# Altium PCB PCB.PcbDoc (part 2 of 4) (continued)
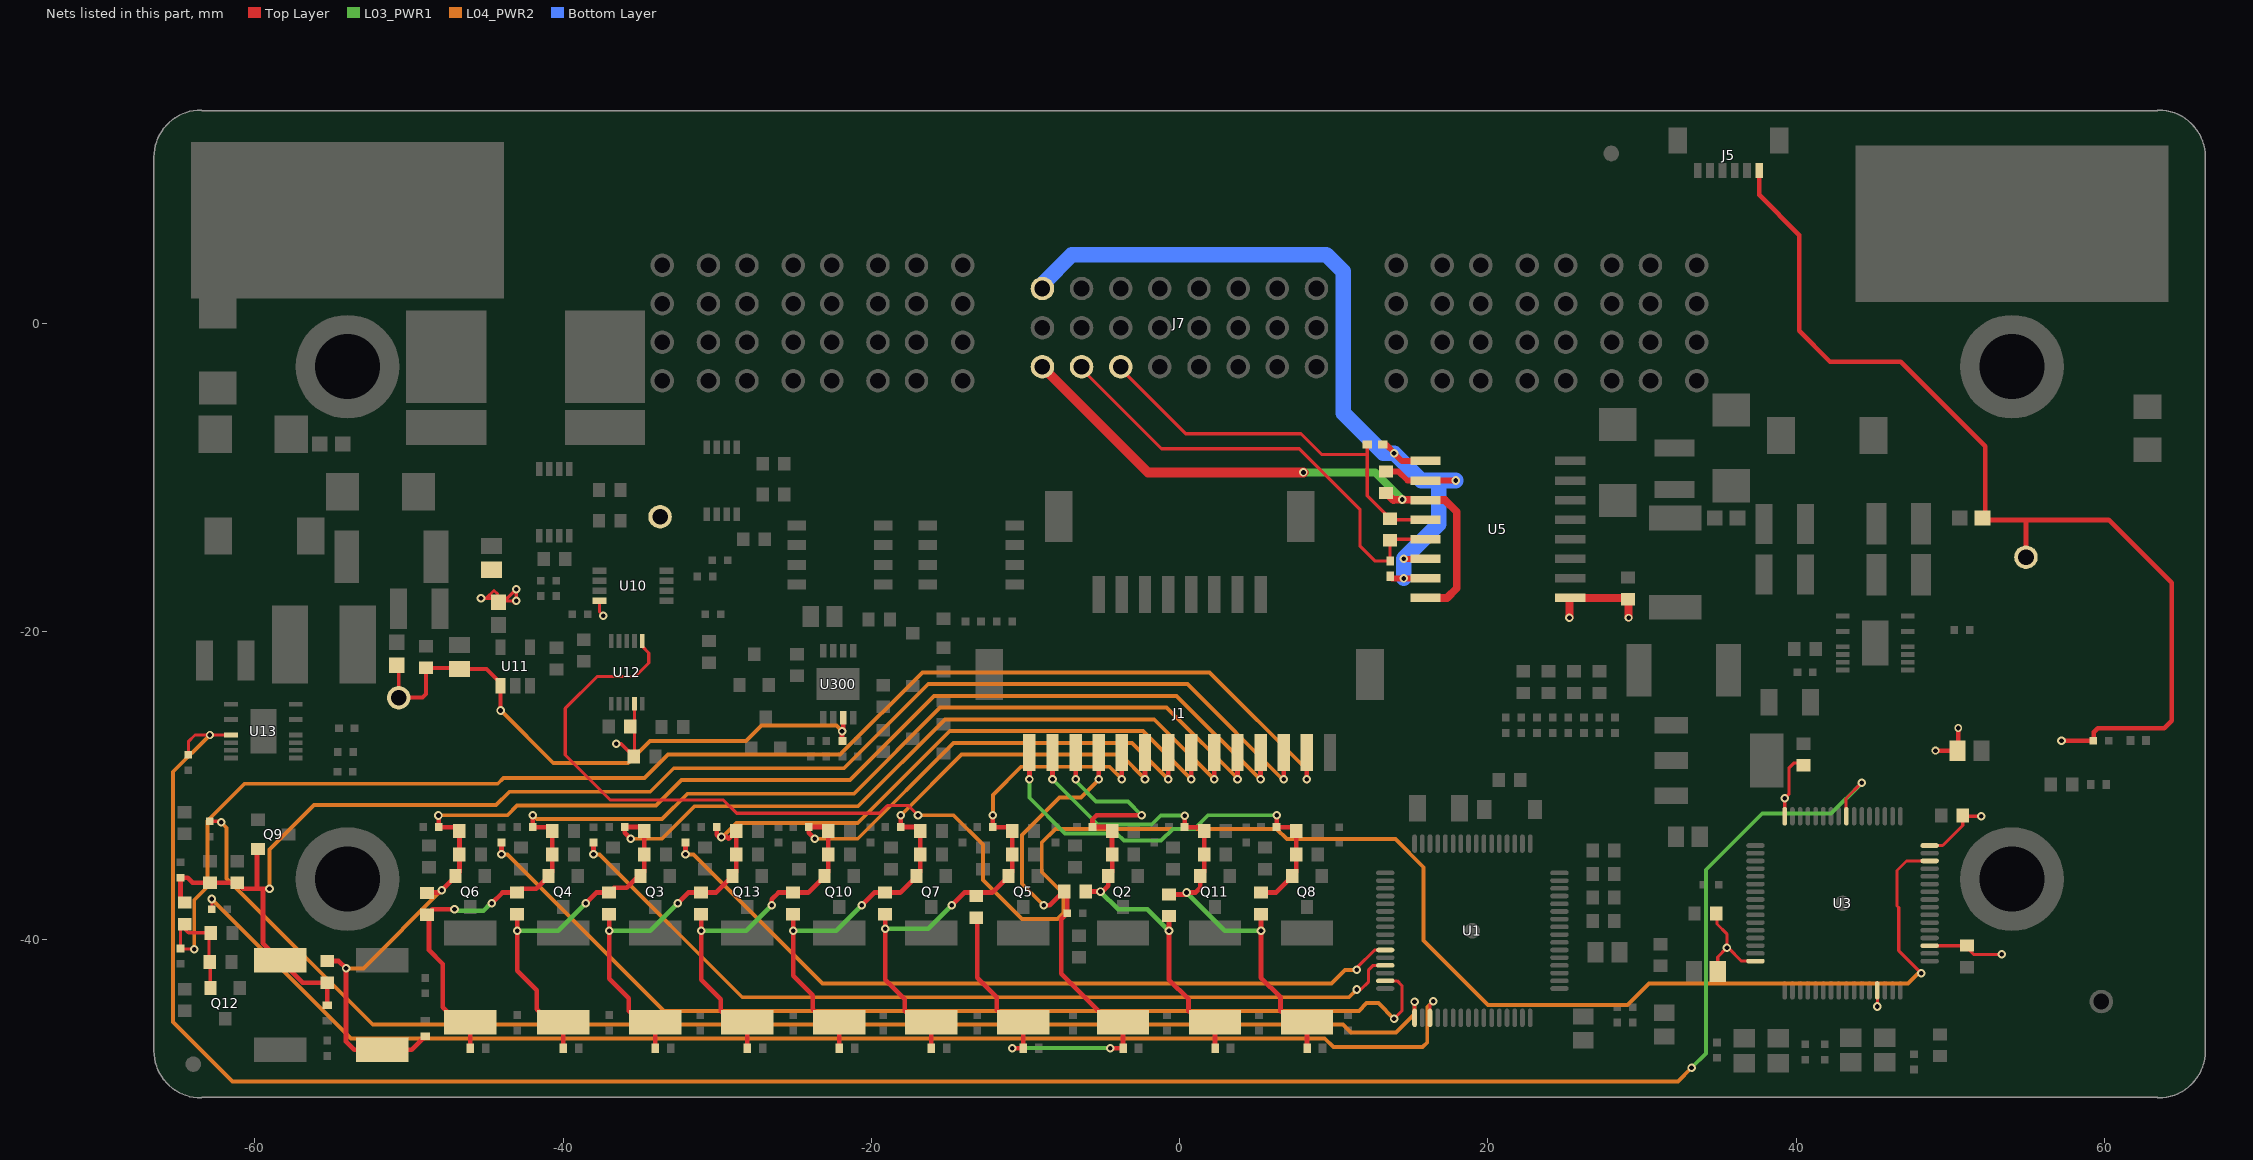
[diagram p6: the nets of this part, all layers, seen from the top]
## Part data (continued)
J7: "EXtreme Ten60 Power Connector", Manufacturer=Samtec, Supplier Part Number 1=200-60SD04308D04LV1S, custinv=Samtec, custprt=ET60S-D04-3-08-D04-L-V1-S, Manufacturer Part Number=ET60S-D04-3-08-D04-L-V1-S, Pricing 1="1=7.94, 10=7.35, 50=6.59, 100=6.15, 1000=4.96, 10000=4.96 (USD)", Stock 1=0, Stock 2=0, Supplier 1=Mouser, Supplier 2=Farnell, Supplier Part Number 2=2731048
L1 L101: library part IND-GENERIC, "FIXED IND 100UH 650MA 300 MOHM", DC Current=650mA, DC Resistance (DCR)=300mR, Inductance=100uh, Manufacturer=Bourns, Manufacturer Part Number=SRR7045-101M, Resistance=300MR, Saturation Current=500mA, Supplier Part Number 1=SRR7045-101MCT-ND, Tolerance=20%, custinv=Ansync, custprt=100-0600-000108, Option=AB, Supplier 1=Digi-Key
L121 L131 L132 L133 L134: "FERRITE BEAD 600 OHM 0603 1LN", Supplier Part Number 1=490-1014-1-ND, ComponentLink1Description="Reference Spec", ComponentLink1URL=https://www.murata.com/en-us/products/productdata/8796738650142/ENFA0003.pdf, Supplier 1=Digi-Key, Supplier 2=Digi-Key, Supplier 3=Mouser, Supplier Part Number 2=490-1014-2-ND, Supplier Part Number 3=81-BLM11A601S
PEM1 PEM2 PEM3 PEM4: "PEM Nut, M3 thread"
Q1: library part Trans-Generic_2, "TRANS NPN 80V 1.0A SOT-223", Case/Package=SOT-223-4, Collector Base Voltage (VCBO)=100V, Collector Emitter Breakdown Voltage=80V, Collector Emitter Saturation Voltage=500mV, Emitter Base Voltage (VEBO)=5V, Frequency=130MHz, Manufacturer="ON Semiconductor", Manufacturer Part Number=SBCP56-16T1G, Max Collector Current=1A, Max Operating Temperature=150°C, Max Power Dissipation=1.5W, Min Operating Temperature=-65°C, Package Quantity=1000, Supplier Part Number 1=SBCP56-16T1GOSCT-ND, Collector Emitter Voltage (VCEO)=80V, ComponentLink1Description=http://www.onsemi.com/pub/Collateral/BCP56T1-D.PDF?src-supplier=Digi-Key, ComponentLink1URL=http://www.onsemi.com/pub/Collateral/BCP56T1-D.PDF?src-supplier=Digi-Key, ComponentLink2Description=http://www.onsemi.com/pub_link/Collateral/BCP56T1-D.PDF?src-supplier=Future+Electronics, ComponentLink2URL=http://www.onsemi.com/pub_link/Collateral/BCP56T1-D.PDF?src-supplier=Future+Electronics, ComponentLink3Description=http://www.onsemi.com/pub/Collateral/BCP56T1-D.PDF?src-supplier=Avnet+Europe, ComponentLink3URL=http://www.onsemi.com/pub/Collateral/BCP56T1-D.PDF?src-supplier=Avnet+Europe, Element Configuration=Single, Gain Bandwidth Product=130MHz, Height=1.65mm, hFE Min=25, Lead Free="Lead Free", Length=6.7mm, Max Breakdown Voltage=80V, Max Frequency=130MHz, Number of Elements=1, Number of Pins=4, Packaging="Tape and Reel", Polarity=NPN, Power Dissipation=1.5W, Pricing 1="1=0.59, 10=0.505, 100=0.3767, 500=0.29598 (USD)", Pricing 2="1=0.55, 10=0.45, 50=0.45, 100=0.274, 1000=0.212, 10000=0.168 (USD)", Radiation Hardening=No, Stock 1=10870, Stock 2=108192, Supplier 1=Digi-Key, Supplier 2=Mouser, Supplier Part Number 2=863-SBCP56-16T1G, Transition Frequency=130MHz, Width=3.7mm
Q2 Q8 Q11: library part FET-P-CH-Generic_OP4_0, "MOSFET P-CH 60V 1.1A SOT-23", Manufacturer="ON Semiconductor", Supplier Part Number 1=NVR5124PLT1GOSCT-ND, Lead Free="Lead Free", Manufacturer Part Number=NVR5124PLT1G, Pricing 1="1=0.61, 10=0.477, 100=0.3272, 500=0.22434, 1000=0.16826 (USD)", Pricing 2="1=0.48, 10=0.366, 50=0.366, 100=0.198, 1000=0.149, 10000=0.12 (USD)", Stock 1=6451, Stock 2=58977, Supplier 1=Digi-Key, Supplier 2=Mouser, Supplier Part Number 2=863-NVR5124PLT1G
Q3 Q4 Q5 Q6 Q7 Q9 Q10 Q12 Q13: library part FET-NCH-GenericOp2, "MOSFET N-CH 60V 280MA SOT-23", Case/Package=SOT-23, Continuous Drain Current (ID)=280mA, Current=28A, Drain to Source Breakdown Voltage=60V, Drain to Source Resistance=1.2R, Gate to Source Voltage (Vgs)=20V, Input Capacitance=50pF, Manufacturer="ON Semiconductor / Fairchild", Max Operating Temperature=150°C, Max Power Dissipation=300mW, Min Operating Temperature=-65°C, On-State Resistance=2R, Package Quantity=1, Supplier Part Number 1=NDS7002ACT-ND, Threshold Voltage=2.1V, ComponentLink1Description=https://www.fairchildsemi.com/package-drawings/MA/MA03B.pdf, ComponentLink1URL=https://www.fairchildsemi.com/package-drawings/MA/MA03B.pdf, ComponentLink2Description=https://www.verical.com/server-webapp/html/getDatasheet?partID=44394, ComponentLink2URL=https://www.verical.com/server-webapp/html/getDatasheet?partID=44394, ComponentLink3Description=https://www.fairchildsemi.com/datasheets/ND/NDS7002A.pdf, ComponentLink3URL=https://www.fairchildsemi.com/datasheets/ND/NDS7002A.pdf, ComponentLink4Description=http://www.farnell.com/datasheets/660093.pdf, ComponentLink4URL=http://www.farnell.com/datasheets/660093.pdf, ComponentLink5Description=http://www.jameco.com/Jameco/Products/ProdDS/874832.pdf, ComponentLink5URL=http://www.jameco.com/Jameco/Products/ProdDS/874832.pdf, ComponentLink6Description=http://www.fairchildsemi.com/ds/ND/NDS7002A.pdf, ComponentLink6URL=http://www.fairchildsemi.com/ds/ND/NDS7002A.pdf, Contact Plating=Matte,Tin, Current Rating=280mA, custinv=Ansync, custprt=100-0300-000088, Drain to Source Voltage (Vdss)=60V, Dual Supply Voltage=60V, Element Configuration=Single, Lead Free="Lead Free", Manufacturer Part Number=NDS7002A, Mount="Surface Mount", Nominal Vgs=2.1V, Number of Elements=1, Number of Pins=3, Option=AB, Packaging="Tape and Reel", Power Dissipation=300mW, Pricing 1="1=0.51, 10=0.368, 100=0.2168, 500=0.1227, 1000=0.09407 (USD)", Pricing 2="1=0.41, 10=0.261, 50=0.261, 100=0.112, 1000=0.086, 10000=0.058 (USD)", Radiation Hardening=No, Rds On Max=2R, REACH SVHC="No SVHC", Stock 1=419, Stock 2=2771, Supplier 1=Digi-Key, Supplier 2=Mouser, Supplier Part Number 2=512-NDS7002A, VOLTAGE=60V, Voltage Rating (DC)=60V, Width=3.05mm
Q100 Q101: "MOSFET N-CH 80V 100A 8TDSON", Continuous Drain Current (ID)=100A, Drain to Source Breakdown Voltage=80V, Drain to Source Resistance=4.5mR, Gate to Source Voltage (Vgs)=20V, Input Capacitance=5.6nF, Manufacturer=Infineon, Max Operating Temperature=150°C, Max Power Dissipation=2.5W, Min Operating Temperature=-55°C, Package Quantity=5000, Supplier Part Number 1=BSC030N08NS5ATMA1CT-ND, Drain to Source Voltage (Vdss)=80V, Element Configuration=Single, Fall Time=13ns, Halogen Free="Halogen Free", Lead Free="Contains Lead", Manufacturer Part Number=BSC030N08NS5ATMA1, Max Dual Supply Voltage=80V, Mount="Surface Mount", Number of Channels=1, Number of Pins=8, Packaging="Tape and Reel", Pricing 1="1=2.41, 10=2.181, 100=1.7526, 500=1.36316, 1000=1.12947 (USD)", Pricing 2="1=2.03, 10=1.72, 50=1.72, 100=1.38, 1000=0.997, 10000=0.894 (USD)", Pricing 3="1=2.03, 10=1.72, 25=1.61, 50=1.49, 100=1.38, 250=1.3, 500=1.21, 1000=0.997 (USD)", Rds On Max=3mR, Rise Time=12ns, Stock 1=0, Stock 2=0, Stock 3=3452, Supplier 1=Digi-Key, Supplier 2=Mouser, Supplier 3=Newark, Supplier Part Number 2=726-BSC030N08NS5ATMA, Supplier Part Number 3=12AC9442, Turn-Off Delay Time=43ns, Turn-On Delay Time=20ns, Weight=0.01787oz
Q102: library part Trans-Generic_4, "TRANS NPN 15V 0.2A SOT-23", Case/Package=SOT-23, Collector Base Voltage (VCBO)=40V, Collector Emitter Breakdown Voltage=15V, Collector Emitter Saturation Voltage=500mV, Current Rating=200mA, Emitter Base Voltage (VEBO)=4.5V, Manufacturer="ON Semiconductor / Fairchild", Manufacturer Part Number=MMBT2369A, Max Operating Temperature=150°C, Max Power Dissipation=225mW, Min Operating Temperature=-55°C, Package Quantity=3000, PspiceTemplate="Q^@REFDES %C %B %E", Supplier Part Number 1=MMBT2369ACT-ND, Collector Emitter Voltage (VCEO)=15V, ComponentLink1Description=http://www.farnell.com/datasheets/1874916.pdf, ComponentLink1URL=http://www.farnell.com/datasheets/1874916.pdf, ComponentLink2Description=http://www.mouser.com/ds/2/149/MMBT2369A-195770.pdf, ComponentLink2URL=http://www.mouser.com/ds/2/149/MMBT2369A-195770.pdf, ComponentLink3Description=https://www.verical.com/server-webapp/html/getDatasheet?partID=110154, ComponentLink3URL=https://www.verical.com/server-webapp/html/getDatasheet?partID=110154, ComponentLink4Description=http://www.fairchildsemi.com/datasheets/MM/MMBT2369A.pdf, ComponentLink4URL=http://www.fairchildsemi.com/datasheets/MM/MMBT2369A.pdf, ComponentLink5Description=https://www.fairchildsemi.com/package-drawings/MA/MA03B.pdf, ComponentLink5URL=https://www.fairchildsemi.com/package-drawings/MA/MA03B.pdf, ComponentLink6Description=http://www.jameco.com/Jameco/Products/ProdDS/213946.pdf, ComponentLink6URL=http://www.jameco.com/Jameco/Products/ProdDS/213946.pdf, ComponentLink7Description=http://www.fairchildsemi.com/ds/MM/MMBT2369A.pdf, ComponentLink7URL=http://www.fairchildsemi.com/ds/MM/MMBT2369A.pdf, ComponentLink8Description=https://www.fairchildsemi.com/datasheets/MM/MMBT2369A.pdf, ComponentLink8URL=https://www.fairchildsemi.com/datasheets/MM/MMBT2369A.pdf, ComponentLink9Description=https://www.verical.com/server-webapp/html/getDatasheet?partID=74294, ComponentLink9URL=https://www.verical.com/server-webapp/html/getDatasheet?partID=74294, ComponentLink10Description=http://www.onsemi.com/pub/Collateral/MMBT2369LT1-D.PDF, ComponentLink10URL=http://www.onsemi.com/pub/Collateral/MMBT2369LT1-D.PDF, ComponentLink11Description=http://www.farnell.com/datasheets/1840565.pdf, ComponentLink11URL=http://www.farnell.com/datasheets/1840565.pdf, ComponentLink12Description=http://www.onsemi.com/pub_link/Collateral/MMBT2369LT1-D.PDF, ComponentLink12URL=http://www.onsemi.com/pub_link/Collateral/MMBT2369LT1-D.PDF, Contact Plating=Matte,Tin, custinv=Ansync, custprt=100-0880-000032, Element Configuration=Single, Height=0.97mm, hFE Min=40, Lead Free="Lead Free", Length=2.9mm, Max Breakdown Voltage=15V, Max Collector Current=200mA, Mount="Surface Mount", Number of Elements=1, Number of Pins=3, Option=AB, Packaging="Tape and Reel", Polarity=NPN, Power Dissipation=225mW, Pricing 3="1=0.21, 10=0.187, 100=0.1021, 500=0.06284, 1000=0.04284 (USD)", Radiation Hardening=No, REACH SVHC="No SVHC", Stock 1=0, Stock 2=0, Stock 3=41555, Supplier 1=Digi-Key, Supplier 2=Mouser, Supplier 3=Digi-Key, Supplier Part Number 2=512-MMBT2369A, Supplier Part Number 3=MMBT2369LT1GOSCT-ND, Voltage Rating (DC)=15V, Weight=0.03g, Width=1.3mm
R1: library part R-Generic, "RES SMD 100 OHM 5% 1W 2512", Case/Package=2512, Case Code (Metric)=6432, Manufacturer=Panasonic, Manufacturer Part Number=ERJ-1TYJ101U, Max Operating Temperature=155°C, Max Power Dissipation=1W, Min Operating Temperature=-55°C, Package Quantity=4000, Resistance=100R, Supplier Part Number 1=667-ERJ-1TYJ101U, Temperature Coefficient=200ppm/°C, Tolerance=5%, Voltage Rating=200V, Voltage Rating (DC)=250V, Case Code (Imperial)=2512, ComponentLink1Description=http://www.farnell.com/datasheets/1678796.pdf, ComponentLink1URL=http://www.farnell.com/datasheets/1678796.pdf, ComponentLink2Description=http://industrial.panasonic.com/www-data/pdf/AOA0000/AOA0000CE1.pdf, ComponentLink2URL=http://industrial.panasonic.com/www-data/pdf/AOA0000/AOA0000CE1.pdf, ComponentLink3Description=http://www.mouser.com/ds/2/315/AOA0000C84-947596.pdf, ComponentLink3URL=http://www.mouser.com/ds/2/315/AOA0000C84-947596.pdf, ComponentLink4Description=https://www.alliedelec.com/m/d/51cd0790071e1666bdb9d00c57fcf960.pdf, ComponentLink4URL=https://www.alliedelec.com/m/d/51cd0790071e1666bdb9d00c57fcf960.pdf, Composition="Thick Film", Contact Plating=Tin, custinv=Ansync, custprt=100-0100-000214, Depth=3.2mm, Features="Automotive AEC-Q200", Height=0.6mm, Lead Free="Lead Free", Length=6.4mm, Military Standard=Not, Mount="Surface Mount", Number of Terminations=2, Option=AB, Packaging="Tape and Reel", Power Rating=1W, Pricing 1="1=0.39, 10=0.28, 50=0.169, 100=0.125, 1000=0.07, 10000=0.053 (USD)", Radiation Hardening=No, REACH SVHC="No SVHC", Stock 1=275, Supplier 1=Mouser, Termination=SMD/SMT, Width=0.126inch
R2 R3 R304: library part R-Generic-0603, "RES SMD 33 OHM 1% 1/10W 0603", Case/Package=0603, Case Code (Metric)=1608, Manufacturer=Yageo, Manufacturer Part Number=AC0603FR-0733RL, Max Operating Temperature=155°C, Max Power Dissipation=100mW, Min Operating Temperature=-55°C, Resistance=33R, Supplier Part Number 1=YAG3599CT-ND, Temperature Coefficient=100ppm/°C, Tolerance=1%, Voltage Rating=50V, Case Code (Imperial)=0603, Composition="Thick Film", custinv=Ansync, custprt=100-0110-000153, Features="Automotive AEC-Q200,Moisture Resistant", Height=0.022inch, Length=0.063inch, Number of Terminations=2, Option=AB, Packaging="Tape and Reel", Power Rating=100mW, Pricing 1="1=0.1, 10=0.032, 100=0.0129, 1000=0.00579, 2500=0.00502 (USD)", Stock 1=70551, Supplier 1=Digi-Key, Termination=SMD/SMT, Width=0.8mm
R4 R300: library part R-Generic-0603, "RES SMD 200 OHM 1% 1/10W 0603", Case/Package=0603, Case Code (Metric)=1608, Manufacturer=Yageo, Manufacturer Part Number=AC0603FR-07200RL, Max Operating Temperature=155°C, Max Power Dissipation=100mW, Min Operating Temperature=-55°C, Resistance=200R, Supplier Part Number 1=YAG3576CT-ND, Temperature Coefficient=100ppm/°C, Tolerance=1%, Case Code (Imperial)=0603, Composition="Thick Film", custinv=Ansync, custprt=100-0110-000074, Features="Automotive AEC-Q200,Moisture Resistant", Height=0.022inch, Length=0.063inch, Number of Terminations=2, Option=AB, Packaging="Tape and Reel", Pricing 1="1=0.1, 10=0.032, 100=0.0129, 1000=0.00579, 2500=0.00502 (USD)", Stock 1=46237, Supplier 1=Digi-Key, Width=0.031inch
R5 R8: library part R-Generic-0402, "DNP", custinv=Ansync, custprt=100-0120-000002, Option=N
R6 R7: library part R-Generic-0402, "RES SMD 0 OHM JUMPER 1/10W 0603", Case/Package=0603, Case Code (Metric)=1608, Current Rating=1A, Manufacturer=Yageo, Manufacturer Part Number=RC0603FR-070RL, Max Operating Temperature=155°C, Max Power Dissipation=100mW, Min Operating Temperature=-55°C, Package Quantity=5000, Resistance=0mR, Supplier Part Number 1=311-0.0HRCT-ND, Temperature Coefficient=200ppm/°C, Tolerance=1%, Voltage Rating=50V, Working Voltage=75V, Case Code (Imperial)=0603, ComponentLink1Description=http://www.farnell.com/datasheets/1868787.pdf, ComponentLink1URL=http://www.farnell.com/datasheets/1868787.pdf, ComponentLink2Description=http://www.farnell.com/datasheets/443971.pdf, ComponentLink2URL=http://www.farnell.com/datasheets/443971.pdf, ComponentLink3Description=http://www.yageo.com/documents/recent/PYu-RC_Group_51_RoHS_L_9.pdf, ComponentLink3URL=http://www.yageo.com/documents/recent/PYu-RC_Group_51_RoHS_L_9.pdf, ComponentLink4Description=http://documents.rs-components.com/techlib://itc_doclist_GB.htm?stockno=5048827, ComponentLink4URL=http://documents.rs-components.com/techlib://itc_doclist_GB.htm?stockno=5048827, Composition="Thick Film", Contact Plating=Matte,Tin, custinv=Ansync, custprt=100-0120-000002, Depth=0.8mm, Features="Moisture Resistant", Height=0.45mm, Lead Free="Lead Free", Length=1.6mm, Military Standard=Not, Number of Pins=2, Number of Terminations=2, Option=AB, Packaging="Tape and Reel", Power Rating=100mW, Pricing 1="1=0.1, 10=0.021, 25=0.0152, 50=0.0114, 100=0.0084, 250=0.00644, 500=0.00514, 1000=0.00379 (USD)", Radiation Hardening=No, REACH SVHC="No SVHC", Stock 1=3289463, Supplier 1=Digi-Key, Termination=SMD/SMT, Voltage Rating (DC)=50V, Width=0.031inch
R9 R10 R305: library part Res1, "Resistor", LatestRevisionDate=17-Jul-2002, LatestRevisionNote="Re-released for DXP Platform.", PackageDescription="Axial Device, Thru-Hole; 2 Leads; 0.3 in Pin Spacing", PackageReference=AXIAL-0.3, Published=8-Jun-2000, Publisher="Altium Limited"
R11 R15 R16 R17 R21 R24 R25 R26 R33 R34 R35 R36 R37 R42 R48 R49 R50 R51 R52 R57 R63 R64 R65 R66 R71 R79: library part R-Generic-0402, "RES SMD 1K OHM 5% 1/16W 0402", Case/Package=0402, Case Code (Metric)=1005, Manufacturer=Yageo, Manufacturer Part Number=RC0402JR-071KL, Max Operating Temperature=155°C, Max Power Dissipation=63mW, Min Operating Temperature=-55°C, Package Quantity=1, Power Rating=62.5mW, Resistance=1kR, Supplier Part Number 1=311-1.0KJRCT-ND, Temperature Coefficient=100ppm/°C, Tolerance=5%, Voltage Rating=50V, Case Code (Imperial)=0402, ComponentLink1Description=http://www.yageo.com/documents/recent/PYu-RC_Group_51_RoHS_L_9.pdf, ComponentLink1URL=http://www.yageo.com/documents/recent/PYu-RC_Group_51_RoHS_L_9.pdf, ComponentLink2Description=http://www.farnell.com/datasheets/1018594.pdf, ComponentLink2URL=http://www.farnell.com/datasheets/1018594.pdf, ComponentLink3Description=http://www.yageo.com/documents/recent/PYu-RC0402_51_RoHS_L_6_r.pdf, ComponentLink3URL=http://www.yageo.com/documents/recent/PYu-RC0402_51_RoHS_L_6_r.pdf, Composition="Thick Film", custinv=Ansync, custprt=100-0120-000074, Depth=0.5mm, Features="Moisture Resistant", Height=0.016inch, Lead Free="Lead Free", Length=0.039inch, Military Standard=Not, Number of Terminations=2, Option=AB, Packaging="Tape and Reel", Pricing 1="1=0.1, 10=0.015, 100=0.006, 1000=0.00268, 2500=0.00233, 5000=0.00192 (USD)", REACH SVHC="No SVHC", Stock 1=18546768, Supplier 1=Digi-Key, Termination=SMD/SMT, Width=0.02inch
R12 R19 R29 R30 R38 R43 R44 R53 R58 R59 R69 R70 R85: library part R-Generic-0603, "RES SMD 330K OHM 5% 1/10W 0603", Case/Package=0603, Case Code (Metric)=1608, Manufacturer=Yageo, Manufacturer Part Number=RC0603JR-07330KL, Max Operating Temperature=155°C, Max Power Dissipation=100mW, Min Operating Temperature=-55°C, Package Quantity=1, Resistance=330kR, Supplier Part Number 1=311-330KGRCT-ND, Temperature Coefficient=100ppm/°C, Tolerance=5%, Voltage Rating=75V, Voltage Rating (DC)=50V, Case Code (Imperial)=0603, ComponentLink1Description=http://www.yageo.com/documents/recent/PYu-RC_Group_51_RoHS_L_9.pdf, ComponentLink1URL=http://www.yageo.com/documents/recent/PYu-RC_Group_51_RoHS_L_9.pdf, ComponentLink2Description=http://www.farnell.com/datasheets/443971.pdf, ComponentLink2URL=http://www.farnell.com/datasheets/443971.pdf, ComponentLink3Description=https://www.verical.com/server-webapp/html/getDatasheet?partID=323834, ComponentLink3URL=https://www.verical.com/server-webapp/html/getDatasheet?partID=323834, Composition="Thick Film", custinv=Ansync, custprt=100-0110-000011, Depth=0.8mm, Features="Moisture Resistant", Height=0.022inch, Lead Free="Lead Free", Length=1.6mm, Military Standard=Not, Number of Pins=2, Number of Terminations=2, Option=AB, Packaging="Tape and Reel", Power Rating=100mW, Pricing 1="1=0.1, 10=0.022, 100=0.0088, 1000=0.00396, 2500=0.00344 (USD)", REACH SVHC="No SVHC", Stock 1=271870, Supplier 1=Digi-Key, Termination=SMD/SMT, Weight=7.1E-05oz, Width=0.8mm
R13 R20 R22 R23 R31 R32 R45 R46 R47 R60 R61 R62: library part R-Generic, "RES SMD 42.2 OHM 1% 1.5W 2512", Case/Package=2512, Case Code (Metric)=6432, Manufacturer="Vishay Dale", Manufacturer Part Number=CRCW251242R2FKEGHP, Max Operating Temperature=155°C, Max Power Dissipation=1.5W, Min Operating Temperature=-55°C, Package Quantity=2000, Resistance=42.2R, Supplier Part Number 1=541-42.2RCT-ND, Temperature Coefficient=100ppm/°C, Tolerance=1%, Case Code (Imperial)=2512, Composition="Thick Film", custinv=Ansync, custprt=100-0100-000214, Features="Automotive AEC-Q200", Height=0.028inch, Lead Free="Lead Free", Length=0.248inch, Number of Terminations=2, Option=AB, Packaging="Tape and Reel", Pricing 1="1=0.74, 10=0.618, 100=0.4152, 1000=0.27302 (USD)", Stock 1=1751, Supplier 1=Digi-Key, Width=0.124inch
R14 R18 R27 R28 R39 R40 R41 R54 R55 R56 R67 R68 R72 R73 R74 R75 R76 R77 R80 R93 R94 R101 R110 R111 R200 R201 R500: library part R-Generic-0402, "RES SMD 10K OHM 1% 1/16W 0402", Case/Package=0402, Case Code (Metric)=1005, Manufacturer="Vishay Dale", Manufacturer Part Number=CRCW040210K0FKTD, Max Operating Temperature=155°C, Max Power Dissipation=63mW, Min Operating Temperature=-55°C, Package Quantity=10000, Resistance=10kR, Supplier Part Number 1=541-2955-1-ND, Temperature Coefficient=100ppm/°C, Tolerance=1%, Voltage Rating=50V, Case Code (Imperial)=0402, ComponentLink1Description=http://www.yageo.com/documents/recent/PYu-RC_Group_51_RoHS_L_9.pdf, ComponentLink1URL=http://www.yageo.com/documents/recent/PYu-RC_Group_51_RoHS_L_9.pdf, ComponentLink2Description=http://www.mouser.com/ds/2/447/PYu-RC0402_51_RoHS_L_6_r-8721.pdf, ComponentLink2URL=http://www.mouser.com/ds/2/447/PYu-RC0402_51_RoHS_L_6_r-8721.pdf, ComponentLink3Description=http://www.farnell.com/datasheets/1018594.pdf, ComponentLink3URL=http://www.farnell.com/datasheets/1018594.pdf, ComponentLink4Description=http://www.vishay.com/docs/20008/dcrcw.pdf?src-supplier=Digi-Key, ComponentLink4URL=http://www.vishay.com/docs/20008/dcrcw.pdf?src-supplier=Digi-Key, ComponentLink5Description=https://www.verical.com/server-webapp/html/getDatasheet?partID=104182&src-supplier=Verical, ComponentLink5URL=https://www.verical.com/server-webapp/html/getDatasheet?partID=104182&src-supplier=Verical, ComponentLink6Description=http://www.vishay.com/docs/20008/dcrcw.pdf?src-supplier=Avnet, ComponentLink6URL=http://www.vishay.com/docs/20008/dcrcw.pdf?src-supplier=Avnet, Composition="Thick Film", Contact Plating=Lead,Tin, Depth=0.5mm, Features="Automotive AEC-Q200", Height=0.016inch, Lead Free="Contains Lead", Length=1mm, Military Standard=Not, Mount="Surface Mount", Number of Pins=2, Number of Terminations=2, Packaging="Tape and Reel", Power Rating=63mW, Pricing 1="1=0.15, 10=0.132, 100=0.0508, 1000=0.02236, 2500=0.01931, 5000=0.01728 (USD)", Radiation Hardening=No, REACH SVHC=Unknown, Stock 1=17223, Supplier 1=Digi-Key, Voltage Rating (DC)=50V, Weight=2.3E-05oz, Width=0.02inch
R78 R87: library part R-Generic, "VISHAY - WSL2512R5000FEA - SMD Current Sense Resistors, AEC-Q200 WSL Series, 0.5 ohm, 1 W, - 1%, 700 mV RoHS Compliant: Yes", Case Code (Imperial)=2512, Case Code (Metric)=6432, Manufacturer 1="Vishay Dale", Manufacturer Part Number 1=WSL2512R5000FEA, Max Operating Temperature=170°C, Min Operating Temperature=-65°C, Package Quantity=2000, Power Rating=1W, Resistance=0R5, Supplier Part Number 1=WSLG-.50CT-ND, Temperature Coefficient=75ppm/°C, Tolerance=1%, Voltage Rating=700mV, Case/Package=2512, Category="Chip SMD Resistors", ComponentLink1Description=https://datasheet.ciiva.com/15159/getdatasheetpartid-92560-15159917.pdf?src-supplier=Verical, ComponentLink1URL=https://datasheet.ciiva.com/15159/getdatasheetpartid-92560-15159917.pdf?src-supplier=Verical, ComponentLink2Description=https://datasheet.ciiva.com/11812/0900766b80d81e3e-11812159.pdf?src-supplier=RSComponents, ComponentLink2URL=https://datasheet.ciiva.com/11812/0900766b80d81e3e-11812159.pdf?src-supplier=RSComponents, ComponentLink3Description=https://datasheet.ciiva.com/16722/70201098-16722472.pdf?src-supplier=Allied+Electronics, ComponentLink3URL=https://datasheet.ciiva.com/16722/70201098-16722472.pdf?src-supplier=Allied+Electronics, ComponentLink4Description=https://datasheet.ciiva.com/28671/wsl-28671816.pdf?src-supplier=Element14, ComponentLink4URL=https://datasheet.ciiva.com/28671/wsl-28671816.pdf?src-supplier=Element14, ComponentLink5Description=https://datasheet.ciiva.com/16507/wsl-16507529.pdf?src-supplier=Future+Electronics, ComponentLink5URL=https://datasheet.ciiva.com/16507/wsl-16507529.pdf?src-supplier=Future+Electronics, ComponentLink6Description=https://datasheet.ciiva.com/7702/442550-7702493.pdf?src-supplier=Element14, ComponentLink6URL=https://datasheet.ciiva.com/7702/442550-7702493.pdf?src-supplier=Element14, ComponentLink7Description=https://datasheet.ciiva.com/7702/442550-7702494.pdf?src-supplier=Element14, ComponentLink7URL=https://datasheet.ciiva.com/7702/442550-7702494.pdf?src-supplier=Element14, ComponentLink8Description=https://datasheet.ciiva.com/8932/wsl-8932367.pdf?src-supplier=Avnet, ComponentLink8URL=https://datasheet.ciiva.com/8932/wsl-8932367.pdf?src-supplier=Avnet, Composition="Metal Strip", Contact Plating=Tin,Matte, Depth=3.18mm, Height=0.635mm, Lead Free="Lead Free", Length=6.35mm, Military Standard=Not, Mount="Surface Mount", Number of Pins=2, Packaging="Tape and Reel", Pricing 1="1=1.16000, 10=1.02300, 25=0.94040, 50=0.85800, 100=0.74250, 250=0.62700, 500=0.52800, 1000=0.44880 (USD)", Radiation Hardening=No, REACH SVHC=Unknown, RoHS=Yes, Stock 1=80272, Supplier 1=Digi-Key, Termination=SMD/SMT, Weight=0.001429oz, Width=3.2mm
R81 R115: library part R-Generic-0402, "RES SMD 40.2K OHM 1% 1/16W 0402", Case/Package=0402, Case Code (Metric)=1005, Manufacturer=Yageo, Manufacturer Part Number=RC0402FR-0740K2L, Max Operating Temperature=155°C, Max Power Dissipation=63mW, Min Operating Temperature=-55°C, Package Quantity=1, Power Rating=62.5mW, Resistance=40.2kR, Supplier Part Number 1=311-40.2KLRCT-ND, Temperature Coefficient=100ppm/°C, Tolerance=1%, Voltage Rating=50V, Case Code (Imperial)=0402, ComponentLink1Description=http://www.yageo.com/documents/recent/PYu-RC0402_51_RoHS_L_6.pdf, ComponentLink1URL=http://www.yageo.com/documents/recent/PYu-RC0402_51_RoHS_L_6.pdf, ComponentLink2Description=http://www.yageo.com/documents/recent/PYu-RC_Group_51_RoHS_L_9.pdf, ComponentLink2URL=http://www.yageo.com/documents/recent/PYu-RC_Group_51_RoHS_L_9.pdf, ComponentLink3Description=http://www.mouser.com/ds/2/447/PYu-RC0402_51_RoHS_L_6_r-8721.pdf, ComponentLink3URL=http://www.mouser.com/ds/2/447/PYu-RC0402_51_RoHS_L_6_r-8721.pdf, ComponentLink4Description=http://www.yageo.com/documents/recent/PYu-RC0402_51_RoHS_L_6_r.pdf, ComponentLink4URL=http://www.yageo.com/documents/recent/PYu-RC0402_51_RoHS_L_6_r.pdf, Composition="Thick Film", Contact Plating=Matte,Tin, custinv=Ansync, custprt=100-0120-000050, Depth=0.5mm, Features="Moisture Resistant", Height=0.016inch, Lead Free="Lead Free", Length=0.039inch, Military Standard=Not, Number of Terminations=2, Option=AB, Packaging="Tape and Reel", Pricing 1="1=0.09, 10=0.016, 100=0.0064, 1000=0.00288, 2500=0.0025, 5000=0.00206 (EUR)", Stock 1=1176562, Supplier 1=Digi-Key, Termination=SMD/SMT, Voltage Rating (DC)=50V, Width=0.02inch
R82: library part R-Generic-0603, custinv=Ansync, custprt=100-0100-000119, Option=C
R83: library part R-Generic-1206, "RES SMD 0 OHM JUMPER 1/4W 1206", Case/Package=1206, Case Code (Metric)=3216, Manufacturer=Yageo, Manufacturer Part Number=RC1206JR-070RL, Max Operating Temperature=155°C, Max Power Dissipation=250mW, Min Operating Temperature=-55°C, Package Quantity=5000, Resistance=0mR, Supplier Part Number 1=311-0.0ERCT-ND, Temperature Coefficient=200ppm/°C, Tolerance=5%, Voltage Rating=200V, Case Code (Imperial)=1206, ComponentLink1Description=http://www.farnell.com/datasheets/1692832.pdf, ComponentLink1URL=http://www.farnell.com/datasheets/1692832.pdf, ComponentLink2Description=http://www.farnell.com/datasheets/444357.pdf, ComponentLink2URL=http://www.farnell.com/datasheets/444357.pdf, ComponentLink3Description=http://www.yageo.com/documents/recent/PYu-RC1206_51_RoHS_L-4.pdf, ComponentLink3URL=http://www.yageo.com/documents/recent/PYu-RC1206_51_RoHS_L-4.pdf, ComponentLink4Description=http://www.yageo.com/documents/recent/PYu-RC_Group_51_RoHS_L_9.pdf, ComponentLink4URL=http://www.yageo.com/documents/recent/PYu-RC_Group_51_RoHS_L_9.pdf, ComponentLink5Description=http://documents.rs-components.com/techlib://itc_doclist_GB.htm?stockno=6182243, ComponentLink5URL=http://documents.rs-components.com/techlib://itc_doclist_GB.htm?stockno=6182243, ComponentLink6Description=http://www.produktinfo.conrad.com/datenblaetter/400000-424999/402222-da-01-en-SMD_WIDERSTAND_0_OHM_1206.pdf, ComponentLink6URL=http://www.produktinfo.conrad.com/datenblaetter/400000-424999/402222-da-01-en-SMD_WIDERSTAND_0_OHM_1206.pdf, Composition="Carbon Film,Thick Film", Contact Plating=Matte,Tin, custinv=Ansync, custprt=100-0100-000016, Depth=1.6mm, Height=0.026inch, Lead Free="Lead Free", Length=3.1mm, Military Standard=Not, Number of Terminations=2, Option=AB, Packaging="Tape and Reel", Power Rating=250mW, Pricing 1="1=0.1, 10=0.067, 25=0.0484, 50=0.0368, 100=0.0271, 250=0.02068, 500=0.01656, 1000=0.01218 (USD)", Radiation Hardening=No, REACH SVHC=Unknown, Stock 1=4537898, Supplier 1=Digi-Key, Termination=SMD/SMT, Width=0.063inch
R84 R301 R306: library part R-Generic-0402, "RES SMD 100K OHM 1% 1/16W 0402", Case/Package=0402, Case Code (Metric)=1005, Manufacturer=Yageo, Manufacturer Part Number=RC0402FR-07100KL, Max Operating Temperature=155°C, Max Power Dissipation=63mW, Min Operating Temperature=-55°C, Package Quantity=1, Resistance=100kR, Supplier Part Number 1=311-100KLRCT-ND, Temperature Coefficient=100ppm/°C, Tolerance=1%, Voltage Rating=50V, Case Code (Imperial)=0402, ComponentLink1Description=http://www.yageo.com/documents/recent/PYu-RC_Group_51_RoHS_L_9.pdf, ComponentLink1URL=http://www.yageo.com/documents/recent/PYu-RC_Group_51_RoHS_L_9.pdf, ComponentLink2Description=http://www.farnell.com/datasheets/1018594.pdf, ComponentLink2URL=http://www.farnell.com/datasheets/1018594.pdf, ComponentLink3Description=http://www.yageo.com/documents/recent/PYu-RC_Group_51_RoHS_L_8.pdf, ComponentLink3URL=http://www.yageo.com/documents/recent/PYu-RC_Group_51_RoHS_L_8.pdf, ComponentLink4Description=http://documents.rs-components.com/techlib://itc_doclist_GB.htm?stockno=6185797, ComponentLink4URL=http://documents.rs-components.com/techlib://itc_doclist_GB.htm?stockno=6185797, Composition="Thick Film", custinv=Ansync, custprt=100-0120-000011, Depth=0.5mm, Features="Moisture Resistant", Height=0.016inch, Lead Free="Lead Free", Length=0.039inch, Military Standard=Not, Number of Terminations=2, Option=AB, Packaging="Tape and Reel", Power Rating=63mW, Pricing 1="1=0.1, 10=0.018, 100=0.0073, 1000=0.00329, 2500=0.00286, 5000=0.00236 (USD)", REACH SVHC="No SVHC", Stock 1=17114602, Supplier 1=Digi-Key, Termination=SMD/SMT, Width=0.02inch, Working Voltage=50V
R86 R302: library part R-Generic-0402, "RES SMD 15K OHM 1% 1/16W 0402", Case/Package=0402, Case Code (Metric)=1005, Manufacturer=Yageo, Manufacturer Part Number=RC0402FR-0715KL, Max Operating Temperature=155°C, Max Power Dissipation=63mW, Min Operating Temperature=-55°C, Package Quantity=1, Power Rating=62.5mW, Resistance=15kR, Supplier Part Number 1=311-15.0KLRCT-ND, Temperature Coefficient=100ppm/°C, Tolerance=1%, Voltage Rating=50V, Case Code (Imperial)=0402, ComponentLink1Description=http://www.farnell.com/datasheets/1018594.pdf, ComponentLink1URL=http://www.farnell.com/datasheets/1018594.pdf, ComponentLink2Description=http://www.mouser.com/ds/2/447/PYu-RC0402_51_RoHS_L_6_r-8721.pdf, ComponentLink2URL=http://www.mouser.com/ds/2/447/PYu-RC0402_51_RoHS_L_6_r-8721.pdf, ComponentLink3Description=http://www.yageo.com/documents/recent/PYu-RC_Group_51_RoHS_L_9.pdf, ComponentLink3URL=http://www.yageo.com/documents/recent/PYu-RC_Group_51_RoHS_L_9.pdf, ComponentLink4Description=http://www.yageo.com/documents/recent/PYu-RC0402_51_RoHS_L_6_r.pdf, ComponentLink4URL=http://www.yageo.com/documents/recent/PYu-RC0402_51_RoHS_L_6_r.pdf, Composition="Thick Film", custinv=Ansync, custprt=100-0120-000195, Depth=0.5mm, Features="Moisture Resistant", Height=0.016inch, Lead Free="Lead Free", Length=1mm, Military Standard=Not, Number of Pins=2, Number of Terminations=2, Option=AB, Packaging="Tape and Reel", Pricing 1="1=0.1, 10=0.018, 100=0.0073, 1000=0.00329, 2500=0.00286, 5000=0.00236 (USD)", REACH SVHC="No SVHC", Stock 1=2807614, Supplier 1=Digi-Key, Termination=SMD/SMT, Voltage Rating (DC)=50V, Weight=2.3E-05oz, Width=0.5mm
R88: library part Res_4Term, "RES SMD 200 UOHM 1% 5W 5931", Case/Package=5931, Manufacturer="Vishay Dale", Manufacturer Part Number=WSL5931L2000FEA, Max Operating Temperature=170°C, Max Power Dissipation=5W, Min Operating Temperature=-65°C, Package Quantity=1, Resistance=0.2mR, Supplier Part Number 1=WSLN-.0002CT-ND, Temperature Coefficient=225ppm/°C, Tolerance=1%, Case Code (Imperial)=5931, ComponentLink1Description=http://www.farnell.com/datasheets/1678796.pdf, ComponentLink1URL=http://www.farnell.com/datasheets/1678796.pdf, ComponentLink2Description=http://industrial.panasonic.com/www-data/pdf/AOA0000/AOA0000CE1.pdf, ComponentLink2URL=http://industrial.panasonic.com/www-data/pdf/AOA0000/AOA0000CE1.pdf, ComponentLink3Description=http://www.mouser.com/ds/2/315/AOA0000C84-947596.pdf, ComponentLink3URL=http://www.mouser.com/ds/2/315/AOA0000C84-947596.pdf, ComponentLink4Description=https://www.alliedelec.com/m/d/51cd0790071e1666bdb9d00c57fcf960.pdf, ComponentLink4URL=https://www.alliedelec.com/m/d/51cd0790071e1666bdb9d00c57fcf960.pdf, ComponentLink5Description=http://www.vishay.com/docs/30110/wsl3921.pdf, ComponentLink5URL=http://www.vishay.com/docs/30110/wsl3921.pdf, Composition="Metal Element,Metal Strip", Features="Moisture Resistant", Height=0.02inch, Length=0.591inch, Number of Terminations=2, Packaging="Tape and Reel", Power Rating=5W, Pricing 1="1=2.69, 10=2.382, 25=2.2088, 50=2.079, 100=1.8191, 250=1.55924, 500=1.29938 (USD)", Pricing 2="1=2.27, 10=2.27, 50=1.98, 100=1.74, 1000=0.975, 10000=0.975 (USD)", REACH SVHC=Unknown, Stock 1=8569, Stock 2=2674, Supplier 1=Digi-Key, Supplier 2=Mouser, Supplier Part Number 2=71-WSL5931L2000FEA, Termination=SMD/SMT, Width=0.305inch
R89 R90 R91 R92: library part Res1, "RES SMD 60.4 OHM 1% 1/10W 0603", Case/Package=0603, Case Code (Metric)=1608, Manufacturer=Vishay, Manufacturer Part Number=CRCW060360R4FKEA, Max Operating Temperature=155°C, Max Power Dissipation=100mW, Min Operating Temperature=-55°C, Package Quantity=10, Resistance=60.4R, Supplier Part Number 1=541-60.4HCT-ND, Temperature Coefficient=100ppm/°C, Tolerance=1%, Voltage Rating=75V, Case Code (Imperial)=0603, ComponentLink1Description=http://www.vishay.com/docs/20035/dcrcwe3.pdf, ComponentLink1URL=http://www.vishay.com/docs/20035/dcrcwe3.pdf, ComponentLink2Description=http://uk.rs-online.com/webdocs/0d98/0900766b80d98afc.pdf, ComponentLink2URL=http://uk.rs-online.com/webdocs/0d98/0900766b80d98afc.pdf, ComponentLink3Description=http://www.mouser.com/ds/2/427/dcrcwe3-109170.pdf, ComponentLink3URL=http://www.mouser.com/ds/2/427/dcrcwe3-109170.pdf, ComponentLink4Description=http://www.alliedelec.com/m/d/0c934d6939ccefa68dbe0b96d821c8cf.pdf, ComponentLink4URL=http://www.alliedelec.com/m/d/0c934d6939ccefa68dbe0b96d821c8cf.pdf, ComponentLink5Description=http://www.farnell.com/datasheets/2046716.pdf, ComponentLink5URL=http://www.farnell.com/datasheets/2046716.pdf, ComponentLink6Description=http://www.farnell.com/datasheets/2111203.pdf, ComponentLink6URL=http://www.farnell.com/datasheets/2111203.pdf, Composition="Thick Film", Contact Plating=Tin, Depth=0.85mm, Features="Automotive AEC-Q200", Height=0.45mm, LatestRevisionDate=17-Jul-2002, LatestRevisionNote="Re-released for DXP Platform.", Lead Free="Lead Free", Length=1.55mm, Military Standard=Not, Mount="Surface Mount", Number of Terminations=2, PackageDescription="Axial Device, Thru-Hole; 2 Leads; 0.3 in Pin Spacing", PackageReference=AXIAL-0.3, Packaging="Tape and Reel", Power Rating=100mW, Pricing 1="1=0.1, 10=0.042, 100=0.017, 1000=0.00764, 2500=0.00663 (USD)", Pricing 2="1=0.1, 10=0.044, 50=0.044, 100=0.026, 1000=0.018, 10000=0.006 (USD)", Published=8-Jun-2000, Publisher="Altium Limited", Radiation Hardening=No, REACH SVHC=Unknown, Stock 1=0, Stock 2=6319, Supplier 1=Digi-Key, Supplier 2=Mouser, Supplier Part Number 2=71-CRCW0603-60.4-E3, Termination=SMD/SMT, Voltage Rating (DC)=75V, Weight=7.1E-05oz, Width=0.033inch, Working Voltage=75V
R109: library part Res1, "FERRITE BEAD 600 OHM 0603 1LN", Case/Package=SMD/SMT, Case Code (Imperial)=0603, Case Code (Metric)=1608, Current Rating=1A, DC Resistance (DCR)=200mR, Inductance=0.36h, Manufacturer="Wurth Electronics", Manufacturer Part Number=742792651, Max Operating Temperature=125°C, Min Operating Temperature=-55°C, Package Quantity=1, Supplier Part Number 1=732-1593-1-ND, Test Frequency=100MHz, Tolerance=25%, ComponentLink1Description=http://documents.rs-components.com/techlib://itc_doclist_GB.htm?stockno=6694046, ComponentLink1URL=http://documents.rs-components.com/techlib://itc_doclist_GB.htm?stockno=6694046, ComponentLink2Description=http://www.farnell.com/datasheets/1705833.pdf, ComponentLink2URL=http://www.farnell.com/datasheets/1705833.pdf, ComponentLink3Description=https://katalog.we-online.de/pbs/datasheet/742792651.pdf, ComponentLink3URL=https://katalog.we-online.de/pbs/datasheet/742792651.pdf, ComponentLink4Description=http://www.mouser.com/ds/2/445/742792651-538156.pdf, ComponentLink4URL=http://www.mouser.com/ds/2/445/742792651-538156.pdf, Core Material=Ferrite, Depth=0.8mm, Height=0.8mm, Impedance=600R, Lead Free="Lead Free", Length=1.6mm, Material=Ferrite, Max Current Rating=1A, Max DC Current=1A, Mount="Surface Mount", Number of Lines=1, Packaging="Tape and Reel", Pricing 1="1=0.16, 50=0.1572, 100=0.1451, 500=0.13846, 1000=0.13192 (EUR)", REACH SVHC=Unknown, Resistance=200mR, Stock 1=349001, Supplier 1=Digi-Key, Termination=SMD/SMT, Weight=0.000141oz, Width=0.8mm